# Altium PCB PCB1.PcbDoc (part 1 of 6) (continued)
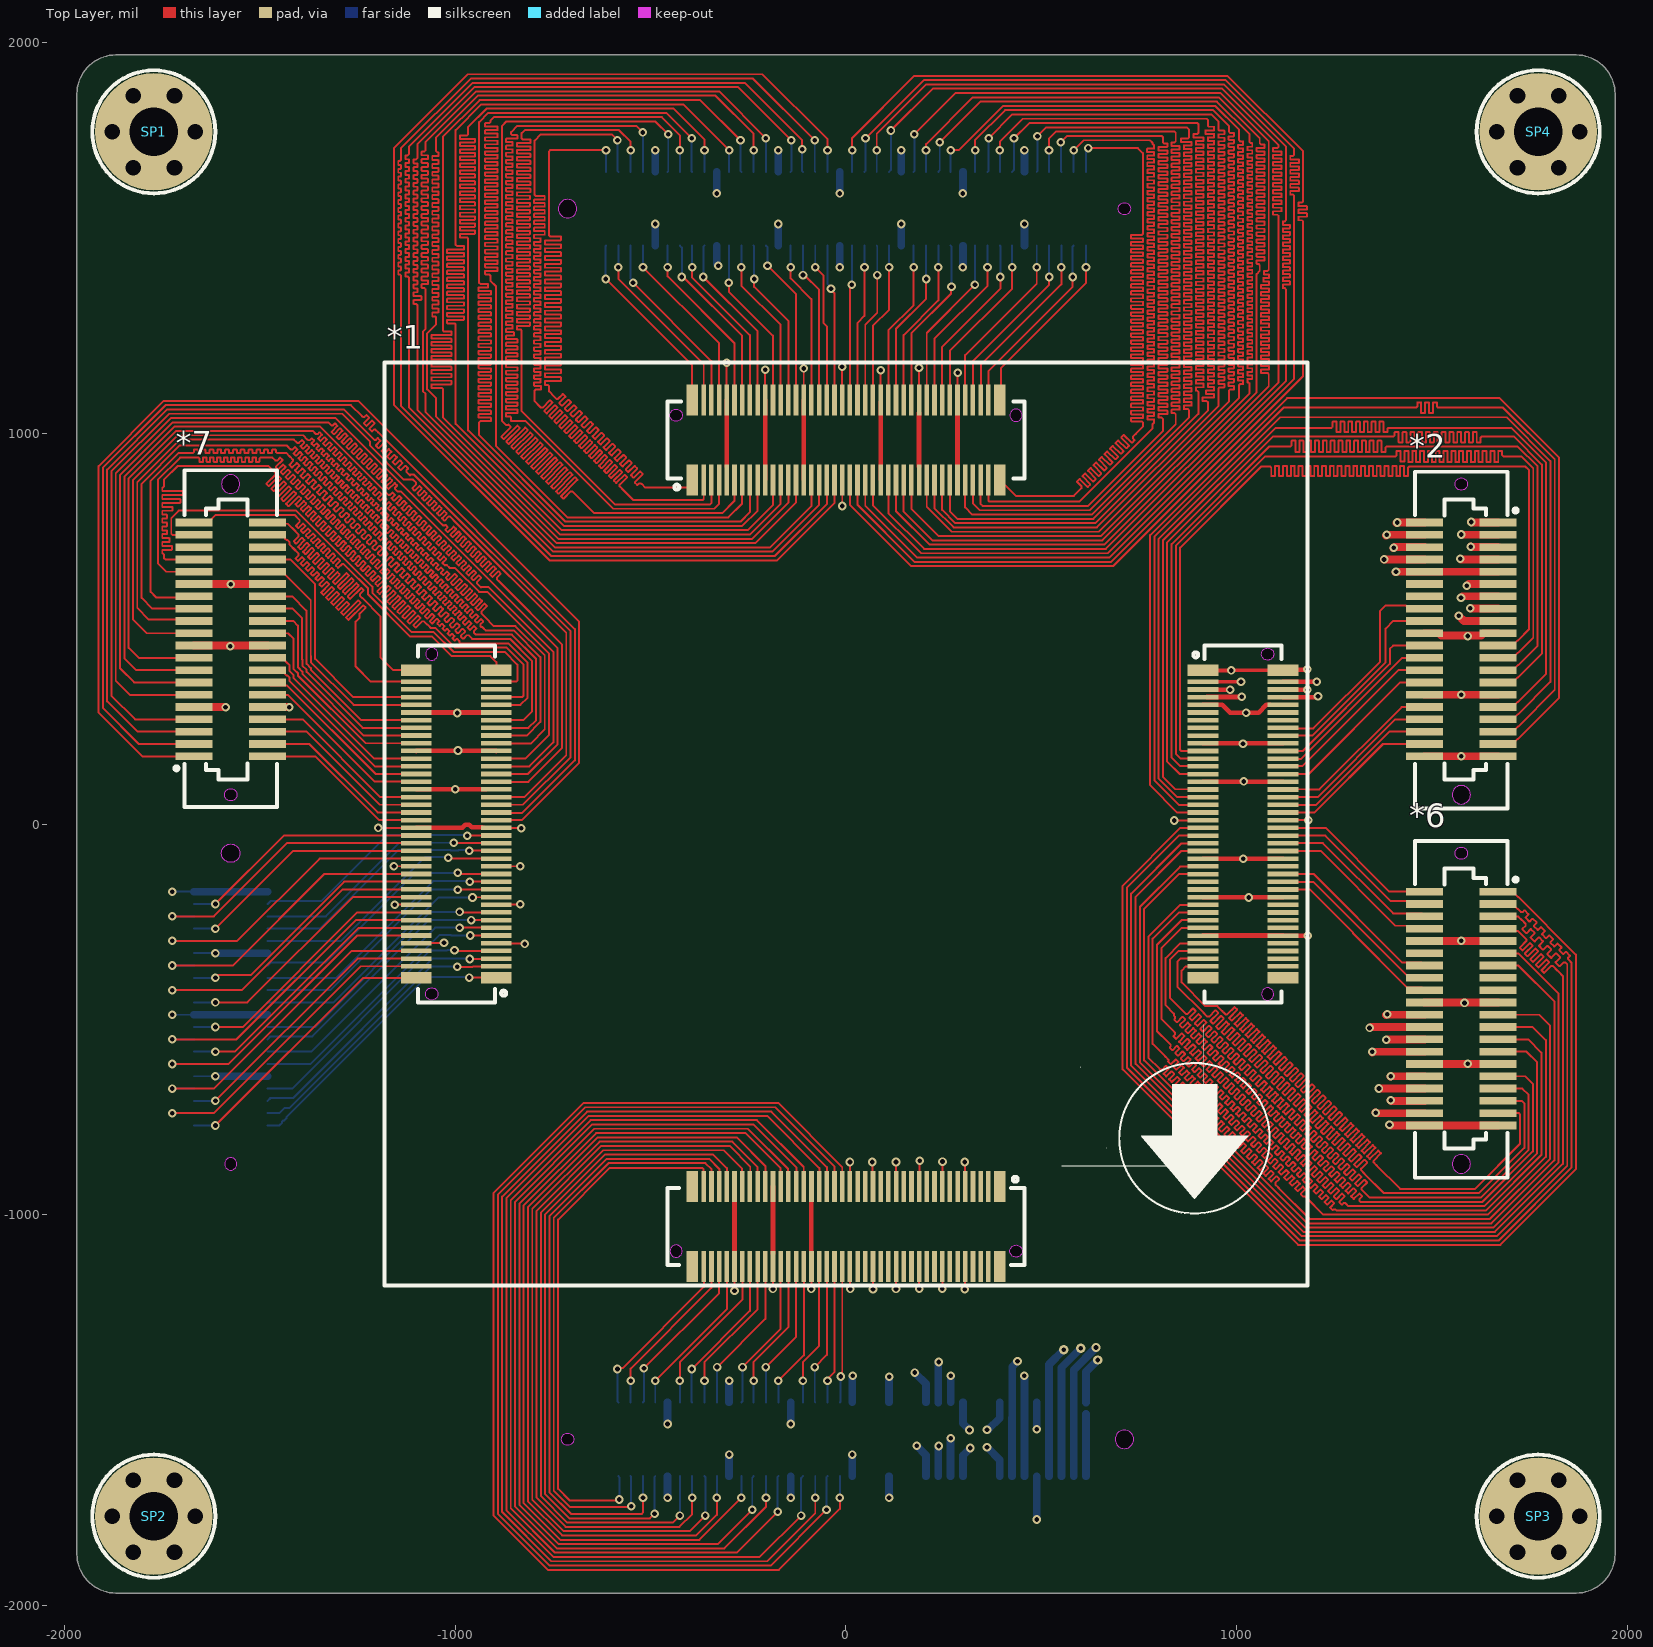
[diagram p0: Top Layer view]
## Footprints (in the part's own frame and the unit in brackets; to place one, negate y for a bottom-side part, rotate by r counter-clockwise, add the part's x,y. Pads: shape width x height; smd on the part's side, far side on the other; paste and mask are expansions set on the pad) (continued)
  Keep-Out Layer board cut-out: 27.008,11.046 27.038,11.199 27.125,11.328 27.255,11.415 27.408,11.446 27.408,11.446 27.561,11.415 27.691,11.328 27.778,11.199 27.808,11.046 27.808,11.046 27.778,10.892 27.691,10.763 27.561,10.676 27.408,10.646 27.408,10.646 27.255,10.676 27.125,10.763 27.038,10.892 27.008,11.046
  Keep-Out Layer board cut-out: 27.408,-10.655 27.255,-10.685 27.125,-10.772 27.039,-10.901 27.008,-11.055 27.008,-11.055 27.039,-11.208 27.125,-11.337 27.255,-11.424 27.408,-11.455 27.408,-11.455 27.561,-11.424 27.691,-11.337 27.778,-11.208 27.808,-11.055 27.808,-11.055 27.778,-10.901 27.691,-10.772 27.561,-10.685 27.408,-10.655
  silkscreen extent -30,-30 30,30, body extent -27.62,-28.46 28.1,27.26, height 2.4
BTB-08-40-G [mm] "BTB 公座，0.8mm间距"
  rect 0.5x2 smd mask+0.051: 1(-7.6,2.4) 2(-7.6,-2.4) 3(-6.8,2.4) 4(-6.8,-2.4) 5(-6,2.4) 6(-6,-2.4) 7(-5.2,2.4) 8(-5.2,-2.4) 9(-4.4,2.4) 10(-4.4,-2.4) 11(-3.6,2.4) 12(-3.6,-2.4) 13(-2.8,2.4) 14(-2.8,-2.4) 15(-2,2.4) 16(-2,-2.4) 17(-1.2,2.4) 18(-1.2,-2.4) 19(-0.4,2.4) 20(-0.4,-2.4) 21(0.4,2.4) 22(0.4,-2.4) 23(1.2,2.4) 24(1.2,-2.4) 25(2,2.4) 26(2,-2.4) 27(2.8,2.4) 28(2.8,-2.4) 29(3.6,2.4) 30(3.6,-2.4) 31(4.4,2.4) 32(4.4,-2.4) 33(5.2,2.4) 34(5.2,-2.4) 35(6,2.4) 36(6,-2.4) 37(6.8,2.4) 38(6.8,-2.4) 39(7.6,2.4) 40(7.6,-2.4)
  Keep-Out Layer board cut-out: -10.099,-0.4 -10.253,-0.37 -10.382,-0.283 -10.469,-0.153 -10.499,0 -10.499,0 -10.469,0.153 -10.382,0.283 -10.253,0.37 -10.099,0.4 -10.099,0.4 -9.946,0.37 -9.817,0.283 -9.73,0.153 -9.699,0 -9.699,0 -9.73,-0.153 -9.817,-0.283 -9.946,-0.37 -10.099,-0.4
  Keep-Out Layer board cut-out: 9.5,0 9.546,-0.23 9.676,-0.424 9.87,-0.554 10.1,-0.6 10.1,-0.6 10.33,-0.554 10.524,-0.424 10.654,-0.23 10.7,0 10.7,0 10.654,0.23 10.524,0.424 10.33,0.554 10.1,0.6 10.1,0.6 9.87,0.554 9.676,0.424 9.546,0.23 9.5,0
  silkscreen extent -10.99,-3.05 11.14,3.73, body extent -10.9,-3.08 10.9,2.92, height 3.85
BTB-08-40-G-H1.0 [mm] "BTB 公座，0.8mm间距"
  rect 0.5x2.4 smd mask+0.051: 1(-7.6,2.4) 2(-7.6,-2.4) 3(-6.8,2.4) 4(-6.8,-2.4) 5(-6,2.4) 6(-6,-2.4) 7(-5.2,2.4) 8(-5.2,-2.4) 9(-4.4,2.4) 10(-4.4,-2.4) 11(-3.6,2.4) 12(-3.6,-2.4) 13(-2.8,2.4) 14(-2.8,-2.4) 15(-2,2.4) 16(-2,-2.4) 17(-1.2,2.4) 18(-1.2,-2.4) 19(-0.4,2.4) 20(-0.4,-2.4) 21(0.4,2.4) 22(0.4,-2.4) 23(1.2,2.4) 24(1.2,-2.4) 25(2,2.4) 26(2,-2.4) 27(2.8,2.4) 28(2.8,-2.4) 29(3.6,2.4) 30(3.6,-2.4) 31(4.4,2.4) 32(4.4,-2.4) 33(5.2,2.4) 34(5.2,-2.4) 35(6,2.4) 36(6,-2.4) 37(6.8,2.4) 38(6.8,-2.4) 39(7.6,2.4) 40(7.6,-2.4)
  Keep-Out Layer board cut-out: -10.1,-0.4 -10.253,-0.37 -10.383,-0.283 -10.469,-0.153 -10.5,0 -10.5,0 -10.469,0.153 -10.383,0.283 -10.253,0.37 -10.1,0.4 -10.1,0.4 -9.947,0.37 -9.817,0.283 -9.73,0.153 -9.7,0 -9.7,0 -9.73,-0.153 -9.817,-0.283 -9.947,-0.37 -10.1,-0.4
  Keep-Out Layer board cut-out: 9.5,0 9.546,-0.23 9.676,-0.424 9.87,-0.554 10.1,-0.6 10.1,-0.6 10.33,-0.554 10.524,-0.424 10.654,-0.23 10.7,0 10.7,0 10.654,0.23 10.524,0.424 10.33,0.554 10.1,0.6 10.1,0.6 9.87,0.554 9.676,0.424 9.546,0.23 9.5,0
  silkscreen extent -10.9,-3 11,3.66, body extent -10.87,-3 10.93,3, height 3.85
BTB-08-80-M [mm] "BTB 母座，0.8mm间距"
  rect 0.5x2 smd mask+0.051: 1(-15.6,-2.4) 2(-15.6,2.4) 3(-14.8,-2.4) 4(-14.8,2.4) 5(-14,-2.4) 6(-14,2.4) 7(-13.2,-2.4) 8(-13.2,2.4) 9(-12.4,-2.4) 10(-12.4,2.4) 11(-11.6,-2.4) 12(-11.6,2.4) 13(-10.8,-2.4) 14(-10.8,2.4) 15(-10,-2.4) 16(-10,2.4) 17(-9.2,-2.4) 18(-9.2,2.4) 19(-8.4,-2.4) 20(-8.4,2.4) 21(-7.6,-2.4) 22(-7.6,2.4) 23(-6.8,-2.4) 24(-6.8,2.4) 25(-6,-2.4) 26(-6,2.4) 27(-5.2,-2.4) 28(-5.2,2.4) 29(-4.4,-2.4) 30(-4.4,2.4) 31(-3.6,-2.4) 32(-3.6,2.4) 33(-2.8,-2.4) 34(-2.8,2.4) 35(-2,-2.4) 36(-2,2.4) 37(-1.2,-2.4) 38(-1.2,2.4) 39(-0.4,-2.4) 40(-0.4,2.4) 41(0.4,-2.4) 42(0.4,2.4) 43(1.2,-2.4) 44(1.2,2.4) 45(2,-2.4) 46(2,2.4) 47(2.8,-2.4) 48(2.8,2.4) 49(3.6,-2.4) 50(3.6,2.4) 51(4.4,-2.4) 52(4.4,2.4) 53(5.2,-2.4) 54(5.2,2.4) 55(6,-2.4) 56(6,2.4) 57(6.8,-2.4) 58(6.8,2.4) 59(7.6,-2.4) 60(7.6,2.4) 61(8.4,-2.4) 62(8.4,2.4) 63(9.2,-2.4) 64(9.2,2.4) 65(10,-2.4) 66(10,2.4) 67(10.8,-2.4) 68(10.8,2.4) 69(11.6,-2.4) 70(11.6,2.4) 71(12.4,-2.4) 72(12.4,2.4) 73(13.2,-2.4) 74(13.2,2.4) 75(14,-2.4) 76(14,2.4) 77(14.8,-2.4) 78(14.8,2.4) 79(15.6,-2.4) 80(15.6,2.4)
  Keep-Out Layer board cut-out: -18.1,-0.6 -18.329,-0.554 -18.524,-0.424 -18.654,-0.23 -18.7,0 -18.7,0 -18.654,0.229 -18.524,0.424 -18.329,0.554 -18.1,0.6 -18.1,0.6 -17.87,0.554 -17.676,0.424 -17.546,0.229 -17.5,0 -17.5,0 -17.546,-0.23 -17.676,-0.424 -17.87,-0.554 -18.1,-0.6
  Keep-Out Layer board cut-out: 17.7,0 17.73,-0.153 17.817,-0.283 17.947,-0.37 18.1,-0.4 18.1,-0.4 18.253,-0.37 18.383,-0.283 18.47,-0.153 18.5,0 18.5,0 18.47,0.153 18.383,0.283 18.253,0.37 18.1,0.4 18.1,0.4 17.947,0.37 17.817,0.283 17.73,0.153 17.7,0
  silkscreen extent -18.9,-3.63 18.98,3.03
M3x10_N [mil] "M3铜柱，长：10mm"
  round 40 hole 40: 1(-106,0) 1(-53,-91.8) 1(-53,91.8) 1(53,-91.8) 1(53,91.8) 1(106,0)
  round 300 hole 125: 1(0,0)
  silkscreen extent -157,-157 157,157, body extent -106,-93 106,93, height 396

## Part data
SP1 SP2 SP3 SP4: library part 铜柱大焊盘, "铜柱", BOM名称=铜柱, 学习资源=https://shop463601444.taobao.com, 版权归属="封装库来自淘宝 ID：黄晶宝石"

## Via types
v1: diameter 22, hole 12, Top Layer to Bottom Layer, 254 vias
v2: diameter 24, hole 12, Top Layer to Bottom Layer, 4 vias

## Nets (pads, with @x,y where several pads share a name; then routed paths per layer and width w, separated by ;. In a path a pad name is that pad's centre, name@x,y a point inside that pad or via, vN(x,y) a via of type N, cw(c..) or ccw(c..) an arc to the next point about the centre after c; other vN are vias at no path point)
3V3: *2.11 *2.13 *2.15 *2.17 *4.23 *4.24 *4.25 *4.26 | length 781.2
  Top Layer w20: v1(1568,533) 1568.54,533 1581.86,519.69 *2.17@1669.29,519.69 ; v1(1574,579) 1574.54,579 1578.22,582.68 *2.13@1669.29,582.68 ; v1(1589,610) 1589.54,610 1593.72,614.17 *2.11@1669.29,614.17 ; v1(1598,552) 1598.82,551.18 *2.15@1669.29,551.18
  Bottom Layer w19.68: *4.25@236.22,-1669.29 236.22,-1593.4 236.56,-1593.07 v1@236.24,-1592.76 ; v1@236.22,-1592.78 v1(237,-1592) ; *4.24@267.72,-1480.32 267.72,-1412.28 v1(268,-1412)
  Bottom Layer w20: *4.25@236.22,-1669.29 v1@236.22,-1592.78 ; *4.26@236.22,-1480.32 236.22,-1377.78 v1(237,-1377) ; *4.23@267.72,-1669.29 v1(267.72,-1572.28) v1@268,-1572
+5: *4.11 *4.12 *4.13 *4.14 *6.22 *6.24 *6.26 *6.28 | length 1021.5
  Top Layer w20: v1@1343,-519 1343.69,-519.69 *6.24@1480.31,-519.69 ; v1@1347,-585 1349.32,-582.68 *6.28@1480.31,-582.68 ; v1@1382,-489 1382.81,-488.19 *6.22@1480.31,-488.19 ; v1@1387,-551 1387.18,-551.18 *6.26@1480.31,-551.18
  Bottom Layer w19.68: 425.2,-1520 *4.14@425.2,-1480.32 425.2,-1388.8 v1(439,-1375) ; v1(456,-1412) 456,-1412.63 456.69,-1413.32 *4.12@456.69,-1480.32
  Bottom Layer w20: *4.13@425.2,-1669.29 425.2,-1520 ; *4.11@456.69,-1669.29 *4.12@456.69,-1480.32
  other v1: 1347,-583 1383,-552 1340,-522 1385,-487
+12: *4.1 *4.2 *4.3 *4.4 *4.5 *4.6 *4.7 *4.8 *6.32 *6.34 *6.36 *6.38 *6.39 *6.40 | length 2015
  Top Layer w20: v1@1355,-738 1357.16,-740.16 *6.38@1480.31,-740.16 ; v1(1364,-677) 1364.17,-677.17 *6.34@1480.31,-677.17 ; v1(1391,-770) 1392.66,-771.66 *6.40@1480.31,-771.66 *6.39@1669.29,-771.66 ; v1(1394,-707) 1395.66,-708.66 *6.36@1480.31,-708.66 ; v1@1394,-646 v1(1394.33,-645.67) *6.32@1480.31,-645.67
  Bottom Layer w19.68: *4.7@519.69,-1669.29 *4.7@519.69,-1639.92
  Bottom Layer w20: *4.7@519.69,-1639.92 519.69,-1383.31 v2(557,-1346) ; *4.5@551.18,-1669.29 551.18,-1391.82 v2(601,-1342) ; *4.3@582.68,-1669.29 582.68,-1397.32 v2(640,-1340) ; *4.1@614.17,-1669.29 *4.2@614.17,-1509.69 ; *4.2@614.17,-1480.32 614.17,-1401.83 v2(644,-1372)
  other v1: 1356.08,-739.08
B13_IO0: *1.114 *5.34 | length 414.2
  Top Layer w5: v1(-110,1405) -106.23,1405 -68.87,1367.64 *1.114@-68.87,1085.5
  Bottom Layer w5: *5.34@-110.24,1480.32 -110,1480.08 v1(-110,1405)
B13_L1_N: *1.24 *2.24 | length 464.7
  Top Layer w5: *1.24@1122.97,166 1164,166 1423.2,425.2 *2.24@1480.31,425.2
B13_L1_P: *1.22 *2.22 | length 484.1
  Top Layer w5: *1.22@1130.76,186.83 1169.28,186.83 1392,409.56 1392,448.38 1400.31,456.69 *2.22@1480.31,456.69
B13_L2_N: *1.28 *2.28 | length 441.5
  Top Layer w5: *1.28@1135.85,128 1184.7,128 1418.91,362.2 *2.28@1480.31,362.2
B13_L2_P: *1.26 *2.26 | length 454
  Top Layer w5: *1.26@1128.12,147.92 1167.92,147.92 1413.7,393.7 *2.26@1480.31,393.7
B13_L3_N: *1.33 *2.33 | length 2663.8
  Top Layer w5: *1.33@913.71,68.72 847.72,68.72 800.14,116.3 800.14,730.13 1111.01,1041 1690.89,1041 1803,928.89 1803,363.81 1720.06,280.87 1719.85,280.87 1706.69,267.72 *2.33@1669.29,267.72
B13_L3_P: *1.31 *2.31 | length 2928
  Top Layer w5: *1.31@919.46,89 843,89 811.14,120.86 811.14,725.57 1099.57,1014 1240,1014 1242.5,1014 1245.43,1016.93 1245.43,1029.5 1245.93,1030 1254.93,1030 1255.43,1029.5 1255.43,1003.5 1255.93,1003 1264.93,1003 1265.43,1003.5 1265.43,1029.5 1265.93,1030 1274.93,1030 1275.43,1029.5 1275.43,1003.5 1275.93,1003 1284.93,1003 1285.43,1003.5 1285.43,1029.5 1285.93,1030 1294.93,1030 1295.43,1029.5 1295.43,1003.5 1295.93,1003 1304.93,1003 1305.43,1003.5 1305.43,1029.5 1305.93,1030 1314.93,1030 1315.43,1029.5 1315.43,1003.5 1315.93,1003 1324.93,1003 1325.43,1003.5 1325.43,1029.5 1325.93,1030 1334.93,1030 1335.43,1029.5 1335.43,1003.5 1335.93,1003 1344.93,1003 1345.43,1003.5 1345.43,1029.5 1345.93,1030 1354.93,1030 1355.43,1029.5 1355.43,1003.5 1355.93,1003 1364.93,1003 1365.43,1003.5 1365.43,1029.5 1365.93,1030 1374.93,1030 1375.43,1029.5 1375.43,1003.5 1375.93,1003 1384.93,1003 1385.43,1003.5 1385.43,1011.07 1388.36,1014 1397,1014 1702.33,1014 1792,924.33 1792,384.31 1720.06,312.37 1719.85,312.37 1706.69,299.21 *2.31@1669.29,299.21
B13_L4_N: *1.18 *2.18 | length 522.3
  Top Layer w5: *1.18@1130,226 1192.89,226 1381,414.11 1381,500 1400.69,519.69 *2.18@1480.31,519.69
B13_L4_P: *1.16 *2.16 | length 534.1
  Top Layer w5: *1.16@1155.75,245 1196.33,245 1367,415.67 1367,545.4 1380.91,559.31 1432.64,559.31 1433.43,558.52 1472.97,558.52 *2.16@1480.31,551.18
B13_L5_N: *1.23 *2.23 | length 2933.9
  Top Layer w5: *1.23@913.71,167.14 856.79,167.14 844.14,179.79 844.14,711.91 1073.24,941 1096,941 1404,941 1406.5,941 1409.43,943.93 1409.43,954.5 1409.93,955 1418.93,955 1419.43,954.5 1419.43,927.87 1419.93,927.37 1428.93,927.37 1429.43,927.87 1429.43,954.5 1429.93,955 1438.93,955 1439.43,954.5 1439.43,926.5 1439.93,926 1448.93,926 1449.43,926.5 1449.43,954.5 1449.93,955 1458.93,955 1459.43,954.5 1459.43,926.5 1459.93,926 1468.93,926 1469.43,926.5 1469.43,954.5 1469.93,955 1478.93,955 1479.43,954.5 1479.43,926.5 1479.93,926 1488.93,926 1489.43,926.5 1489.43,954.5 1489.93,955 1498.93,955 1499.43,954.5 1499.43,926.5 1499.93,926 1508.93,926 1509.43,926.5 1509.43,954.5 1509.93,955 1518.93,955 1519.43,954.5 1519.43,926.5 1519.93,926 1528.93,926 1529.43,926.5 1529.43,954.5 1529.93,955 1538.93,955 1539.43,954.5 1539.43,926.5 1539.93,926 1548.93,926 1549.43,926.5 1549.43,954.5 1549.93,955 1558.93,955 1559.43,954.5 1559.43,926.5 1559.93,926 1568.93,926 1569.43,926.5 1569.43,954.5 1569.93,955 1578.93,955 1579.43,954.5 1579.43,926.5 1579.93,926 1588.93,926 1589.43,926.5 1589.43,954.5 1589.93,955 1598.93,955 1599.43,954.5 1599.43,926.5 1599.93,926 1608.93,926 1609.43,926.5 1609.43,954.5 1609.93,955 1618.93,955 1619.43,954.5 1619.43,926.5 1619.93,926 1628.93,926 1629.43,926.5 1629.43,954.5 1629.93,955 1638.93,955 1639.43,954.5 1639.43,926.5 1639.93,926 1648.93,926 1649.43,926.5 1649.43,954.5 1649.93,955 1658.93,955 1659.43,954.5 1659.43,926.5 1659.93,926 1668.93,926 1669.43,926.5 1669.43,954.5 1669.93,955 1678.93,955 1679.43,954.5 1679.43,943.93 1682.36,941 1692,941 1728.66,941 1759,910.66 1759,477.29 1720.06,438.35 1719.85,438.35 1706.69,425.2 *2.23@1669.29,425.2
B13_L5_P: *1.21 *2.21 | length 2969.1
  Top Layer w5: *1.21@913.71,186.83 858.07,186.83 855.14,189.76 855.14,707.35 1062.79,915 1073,915 1085.5,915 1088.43,912.07 1088.43,890.99 1088.93,890.49 1097.93,890.49 1098.43,890.99 1098.43,915.87 1098.93,916.37 1107.93,916.37 1108.43,915.87 1108.43,890.99 1108.93,890.49 1117.93,890.49 1118.43,890.99 1118.43,915.87 1118.93,916.37 1127.93,916.37 1128.43,915.87 1128.43,890.99 1128.93,890.49 1137.93,890.49 1138.43,890.99 1138.43,915.87 1138.93,916.37 1147.93,916.37 1148.43,915.87 1148.43,890.99 1148.93,890.49 1157.93,890.49 1158.43,890.99 1158.43,915.87 1158.93,916.37 1167.93,916.37 1168.43,915.87 1168.43,890.99 1168.93,890.49 1177.93,890.49 1178.43,890.99 1178.43,915.87 1178.93,916.37 1187.93,916.37 1188.43,915.87 1188.43,890.99 1188.93,890.49 1197.93,890.49 1198.43,890.99 1198.43,915.87 1198.93,916.37 1207.93,916.37 1208.43,915.87 1208.43,890.99 1208.93,890.49 1217.93,890.49 1218.43,890.99 1218.43,915.87 1218.93,916.37 1227.93,916.37 1228.43,915.87 1228.43,890.99 1228.93,890.49 1237.93,890.49 1238.43,890.99 1238.43,915.87 1238.93,916.37 1247.93,916.37 1248.43,915.87 1248.43,890.99 1248.93,890.49 1257.93,890.49 1258.43,890.99 1258.43,915.87 1258.93,916.37 1267.93,916.37 1268.43,915.87 1268.43,890.99 1268.93,890.49 1277.93,890.49 1278.43,890.99 1278.43,915.87 1278.93,916.37 1287.93,916.37 1288.43,915.87 1288.43,890.99 1288.93,890.49 1297.93,890.49 1298.43,890.99 1298.43,915.87 1298.93,916.37 1307.93,916.37 1308.43,915.87 1308.43,890.99 1308.93,890.49 1317.93,890.49 1318.43,890.99 1318.43,915.87 1318.93,916.37 1327.93,916.37 1328.43,915.87 1328.43,890.99 1328.93,890.49 1337.93,890.49 1338.43,890.99 1338.43,915.87 1338.93,916.37 1347.93,916.37 1348.43,915.87 1348.43,890.99 1348.93,890.49 1357.93,890.49 1358.43,890.99 1358.43,915.87 1358.93,916.37 1367.93,916.37 1368.43,915.87 1368.43,890.99 1368.93,890.49 1377.93,890.49 1378.43,890.99 1378.43,915.87 1378.93,916.37 1387.93,916.37 1388.43,915.87 1388.43,890.99 1388.93,890.49 1397.93,890.49 1398.43,890.99 1398.43,915.87 1398.93,916.37 1407.93,916.37 1408.43,915.87 1408.43,890.99 1408.93,890.49 1417.93,890.49 1418.43,890.99 1418.43,915.87 1418.93,916.37 1427.93,916.37 1428.43,915.87 1428.43,890.99 1428.93,890.49 1437.93,890.49 1438.43,890.99 1438.43,912.07 1441.36,915 1460.11,915 1739.11,915 1748,906.11 1748,497.79 1720.06,469.85 1719.85,469.85 1706.69,456.69 *2.21@1669.29,456.69
B13_L6_N: *1.34 *2.34 | length 438.5
  Top Layer w5: *1.34@1124.14,69 1207.59,69 1406.3,267.72 *2.34@1480.31,267.72
B13_L6_P: *1.32 *2.32 | length 441.4
  Top Layer w5: *1.32@1126.43,89 1176.94,89 1177.44,88.5 1211.5,88.5 1422.21,299.21 *2.32@1480.31,299.21
B13_L7_N: *1.27 *2.27 | length 2953.1
  Top Layer w5: *1.27@918.25,128 853.93,128 822.14,159.79 822.14,721.02 1093.13,992 1399,992 1401.5,992 1404.43,994.93 1404.43,1002.5 1404.93,1003 1413.93,1003 1414.43,1002.5 1414.43,977.5 1414.93,977 1423.93,977 1424.43,977.5 1424.43,1002.5 1424.93,1003 1433.93,1003 1434.43,1002.5 1434.43,977.5 1434.93,977 1443.93,977 1444.43,977.5 1444.43,1002.5 1444.93,1003 1453.93,1003 1454.43,1002.5 1454.43,977.5 1454.93,977 1463.93,977 1464.43,977.5 1464.43,1002.5 1464.93,1003 1473.93,1003 1474.43,1002.5 1474.43,977.5 1474.93,977 1483.93,977 1484.43,977.5 1484.43,1002.5 1484.93,1003 1493.93,1003 1494.43,1002.5 1494.43,977.5 1494.93,977 1503.93,977 1504.43,977.5 1504.43,1002.5 1504.93,1003 1513.93,1003 1514.43,1002.5 1514.43,977.5 1514.93,977 1523.93,977 1524.43,977.5 1524.43,1002.5 1524.93,1003 1533.93,1003 1534.43,1002.5 1534.43,977.5 1534.93,977 1543.93,977 1544.43,977.5 1544.43,1002.5 1544.93,1003 1553.93,1003 1554.43,1002.5 1554.43,977.5 1554.93,977 1563.93,977 1564.43,977.5 1564.43,1002.5 1564.93,1003 1573.93,1003 1574.43,1002.5 1574.43,977.5 1574.93,977 1583.93,977 1584.43,977.5 1584.43,1002.5 1584.93,1003 1593.93,1003 1594.43,1002.5 1594.43,977.5 1594.93,977 1603.93,977 1604.43,977.5 1604.43,1002.5 1604.93,1003 1613.93,1003 1614.43,1002.5 1614.43,977.5 1614.93,977 1623.93,977 1624.43,977.5 1624.43,989.07 1627.36,992 1638,992 1708.77,992 1781,919.77 1781,436.3 1720.06,375.36 1719.85,375.36 1706.69,362.2 *2.27@1669.29,362.2
B13_L7_P: *1.25 *2.25 | length 2946.6
  Top Layer w5: *1.25@899.1,148 855,148 833.14,169.86 833.14,716.46 1082.68,966 1135,966 1137.5,966 1140.43,968.93 1140.43,980.5 1140.93,981 1149.93,981 1150.43,980.5 1150.43,952.5 1150.93,952 1159.93,952 1160.43,952.5 1160.43,980.5 1160.93,981 1169.93,981 1170.43,980.5 1170.43,952.5 1170.93,952 1179.93,952 1180.43,952.5 1180.43,980.5 1180.93,981 1189.93,981 1190.43,980.5 1190.43,952.5 1190.93,952 1199.93,952 1200.43,952.5 1200.43,980.5 1200.93,981 1209.93,981 1210.43,980.5 1210.43,952.5 1210.93,952 1219.93,952 1220.43,952.5 1220.43,980.5 1220.93,981 1229.93,981 1230.43,980.5 1230.43,952.5 1230.93,952 1239.93,952 1240.43,952.5 1240.43,980.5 1240.93,981 1249.93,981 1250.43,980.5 1250.43,952.5 1250.93,952 1259.93,952 1260.43,952.5 1260.43,980.5 1260.93,981 1269.93,981 1270.43,980.5 1270.43,952.5 1270.93,952 1279.93,952 1280.43,952.5 1280.43,980.5 1280.93,981 1289.93,981 1290.43,980.5 1290.43,952.5 1290.93,952 1299.93,952 1300.43,952.5 1300.43,980.5 1300.93,981 1309.93,981 1310.43,980.5 1310.43,952.5 1310.93,952 1319.93,952 1320.43,952.5 1320.43,980.5 1320.93,981 1329.93,981 1330.43,980.5 1330.43,952.5 1330.93,952 1339.93,952 1340.43,952.5 1340.43,980.5 1340.93,981 1349.93,981 1350.43,980.5 1350.43,952.5 1350.93,952 1359.93,952 1360.43,952.5 1360.43,980.5 1360.93,981 1369.93,981 1370.43,980.5 1370.43,952.5 1370.93,952 1379.93,952 1380.43,952.5 1380.43,963.07 1383.36,966 1391,966 1719.22,966 1770,915.22 1770,456.8 1720.06,406.85 1719.85,406.85 1706.69,393.7 *2.25@1669.29,393.7
B13_L8_N: *1.115 *5.35 | length 3477.2
  Top Layer w5: v1(-80,1750) -238,1908 -960.34,1908 -1139,1729.34 -1139,1703 -1139,1699.79 -1141.93,1696.86 -1145,1696.86 -1146,1695.86 -1146,1687.86 -1145,1686.86 -1140,1686.86 -1139,1685.86 -1139,1677.86 -1140,1676.86 -1145,1676.86 -1146,1675.86 -1146,1667.86 -1145,1666.86 -1140,1666.86 -1139,1665.86 -1139,1657.86 -1140,1656.86 -1145,1656.86 -1146,1655.86 -1146,1647.86 -1145,1646.86 -1140,1646.86 -1139,1645.86 -1139,1637.86 -1140,1636.86 -1145,1636.86 -1146,1635.86 -1146,1627.86 -1145,1626.86 -1140,1626.86 -1139,1625.86 -1139,1617.86 -1140,1616.86 -1145,1616.86 -1146,1615.86 -1146,1607.86 -1145,1606.86 -1140,1606.86 -1139,1605.86 -1139,1597.86 -1140,1596.86 -1145,1596.86 -1146,1595.86 -1146,1587.86 -1145,1586.86 -1140,1586.86 -1139,1585.86 -1139,1577.86 -1140,1576.86 -1145,1576.86 -1146,1575.86 -1146,1567.86 -1145,1566.86 -1140,1566.86 -1139,1565.86 -1139,1557.86 -1140,1556.86 -1145,1556.86 -1146,1555.86 -1146,1547.86 -1145,1546.86 -1140,1546.86 -1139,1545.86 -1139,1537.86 -1140,1536.86 -1145,1536.86 -1146,1535.86 -1146,1527.86 -1145,1526.86 -1140,1526.86 -1139,1525.86 -1139,1517.86 -1140,1516.86 -1145,1516.86 -1146,1515.86 -1146,1507.86 -1145,1506.86 -1140,1506.86 -1139,1505.86 -1139,1497.86 -1140,1496.86 -1145,1496.86 -1146,1495.86 -1146,1487.86 -1145,1486.86 -1140,1486.86 -1139,1485.86 -1139,1477.86 -1140,1476.86 -1145,1476.86 -1146,1475.86 -1146,1467.86 -1145,1466.86 -1140,1466.86 -1139,1465.86 -1139,1457.86 -1140,1456.86 -1145,1456.86 -1146,1455.86 -1146,1447.86 -1145,1446.86 -1140,1446.86 -1139,1445.86 -1139,1437.86 -1140,1436.86 -1145,1436.86 -1146,1435.86 -1146,1427.86 -1145,1426.86 -1140,1426.86 -1139,1425.86 -1139,1417.86 -1140,1416.86 -1145,1416.86 -1146,1415.86 -1146,1407.86 -1145,1406.86 -1141.93,1406.86 -1139,1403.94 -1139,1401.43 -1139,1070.56 -754.35,685.91 -182.09,685.91 -49.19,818.81 *1.115@-49.19,880.78
  Bottom Layer w5: v1(-80,1750) -80,1670.55 *5.35@-78.74,1669.29
B13_L8_P: *1.117 *5.37 | length 3409.5
  Top Layer w5: v1(-47.24,1724.66) -47.24,1752.24 -214,1919 -968,1919 -1157,1730 -1157,1073 -758.91,674.91 -176.09,674.91 -29.5,821.5 *1.117@-29.5,880.78
  Bottom Layer w5: *5.37@-47.24,1669.29 v1(-47.24,1724.66)
B13_L9_N: *1.111 *5.31 | length 3454.6
  Top Layer w5: v1(-140,1750) -276,1886 -951.23,1886 -1097,1740.23 -1097,1710 -1097,1703.93 -1099.93,1701.01 -1106,1701.01 -1107,1700.01 -1107,1692.01 -1106,1691.01 -1097.99,1691.01 -1096.99,1690.01 -1096.99,1682.01 -1097.99,1681.01 -1106,1681.01 -1107,1680.01 -1107,1672.01 -1106,1671.01 -1097.99,1671.01 -1096.99,1670.01 -1096.99,1662.01 -1097.99,1661.01 -1106,1661.01 -1107,1660.01 -1107,1652.01 -1106,1651.01 -1097.99,1651.01 -1096.99,1650.01 -1096.99,1642.01 -1097.99,1641.01 -1106,1641.01 -1107,1640.01 -1107,1632.01 -1106,1631.01 -1097.99,1631.01 -1096.99,1630.01 -1096.99,1622.01 -1097.99,1621.01 -1106,1621.01 -1107,1620.01 -1107,1612.01 -1106,1611.01 -1097.99,1611.01 -1096.99,1610.01 -1096.99,1602.01 -1097.99,1601.01 -1106,1601.01 -1107,1600.01 -1107,1592.01 -1106,1591.01 -1097.99,1591.01 -1096.99,1590.01 -1096.99,1582.01 -1097.99,1581.01 -1106,1581.01 -1107,1580.01 -1107,1572.01 -1106,1571.01 -1097.99,1571.01 -1096.99,1570.01 -1096.99,1562.01 -1097.99,1561.01 -1106,1561.01 -1107,1560.01 -1107,1552.01 -1106,1551.01 -1097.99,1551.01 -1096.99,1550.01 -1096.99,1542.01 -1097.99,1541.01 -1106,1541.01 -1107,1540.01 -1107,1532.01 -1106,1531.01 -1097.99,1531.01 -1096.99,1530.01 -1096.99,1522.01 -1097.99,1521.01 -1106,1521.01 -1107,1520.01 -1107,1512.01 -1106,1511.01 -1097.99,1511.01 -1096.99,1510.01 -1096.99,1502.01 -1097.99,1501.01 -1106,1501.01 -1107,1500.01 -1107,1492.01 -1106,1491.01 -1097.99,1491.01 -1096.99,1490.01 -1096.99,1482.01 -1097.99,1481.01 -1106,1481.01 -1107,1480.01 -1107,1472.01 -1106,1471.01 -1097.99,1471.01 -1096.99,1470.01 -1096.99,1462.01 -1097.99,1461.01 -1106,1461.01 -1107,1460.01 -1107,1452.01 -1106,1451.01 -1097.99,1451.01 -1096.99,1450.01 -1096.99,1442.01 -1097.99,1441.01 -1106,1441.01 -1107,1440.01 -1107,1432.01 -1106,1431.01 -1097.99,1431.01 -1096.99,1430.01 -1096.99,1422.01 -1097.99,1421.01 -1106,1421.01 -1107,1420.01 -1107,1412.01 -1106,1411.01 -1097.99,1411.01 -1096.99,1410.01 -1096.99,1402.01 -1097.99,1401.01 -1106,1401.01 -1107,1400.01 -1107,1392.01 -1106,1391.01 -1097.99,1391.01 -1096.99,1390.01 -1096.99,1382.01 -1097.99,1381.01 -1106,1381.01 -1107,1380.01 -1107,1372.01 -1106,1371.01 -1097.89,1371.01 -1096.89,1370.01 -1096.89,1362.01 -1097.89,1361.01 -1106,1361.01 -1107,1360.01 -1107,1352.01 -1106,1351.01 -1088,1351.01 -1087,1350.01 -1087,1342.01 -1088,1341.01 -1106,1341.01 -1107,1340.01 -1107,1332.01 -1106,1331.01 -1099.93,1331.01 -1097,1328.08 -1097,1325.58 -1097,1059.67 -745.24,707.91 -194.09,707.91 -88.56,813.44 *1.111@-88.56,880.78
  Bottom Layer w5: *5.31@-141.73,1669.29 -140,1671.02 v1(-140,1750)
B13_L9_P: *1.113 *5.33 | length 3479.1
  Top Layer w5: v1(-112.32,1726.75) -112.32,1749.9 -259.42,1897 -955.78,1897 -1119,1733.78 -1119,1721 -1119,1714.36 -1121.93,1711.43 -1127,1711.43 -1128,1710.43 -1128,1702.43 -1127,1701.43 -1119,1701.43 -1118,1700.43 -1118,1692.43 -1119,1691.43 -1127,1691.43 -1128,1690.43 -1128,1682.43 -1127,1681.43 -1119,1681.43 -1118,1680.43 -1118,1672.43 -1119,1671.43 -1127,1671.43 -1128,1670.43 -1128,1662.43 -1127,1661.43 -1119,1661.43 -1118,1660.43 -1118,1652.43 -1119,1651.43 -1127,1651.43 -1128,1650.43 -1128,1642.43 -1127,1641.43 -1119,1641.43 -1118,1640.43 -1118,1632.43 -1119,1631.43 -1127,1631.43 -1128,1630.43 -1128,1622.43 -1127,1621.43 -1119,1621.43 -1118,1620.43 -1118,1612.43 -1119,1611.43 -1127,1611.43 -1128,1610.43 -1128,1602.43 -1127,1601.43 -1119,1601.43 -1118,1600.43 -1118,1592.43 -1119,1591.43 -1127,1591.43 -1128,1590.43 -1128,1582.43 -1127,1581.43 -1119,1581.43 -1118,1580.43 -1118,1572.43 -1119,1571.43 -1127,1571.43 -1128,1570.43 -1128,1562.43 -1127,1561.43 -1119,1561.43 -1118,1560.43 -1118,1552.43 -1119,1551.43 -1127,1551.43 -1128,1550.43 -1128,1542.43 -1127,1541.43 -1119,1541.43 -1118,1540.43 -1118,1532.43 -1119,1531.43 -1127,1531.43 -1128,1530.43 -1128,1522.43 -1127,1521.43 -1119,1521.43 -1118,1520.43 -1118,1512.43 -1119,1511.43 -1127,1511.43 -1128,1510.43 -1128,1502.43 -1127,1501.43 -1119,1501.43 -1118,1500.43 -1118,1492.43 -1119,1491.43 -1127,1491.43 -1128,1490.43 -1128,1482.43 -1127,1481.43 -1119,1481.43 -1118,1480.43 -1118,1472.43 -1119,1471.43 -1127,1471.43 -1128,1470.43 -1128,1462.43 -1127,1461.43 -1119,1461.43 -1118,1460.43 -1118,1452.43 -1119,1451.43 -1127,1451.43 -1128,1450.43 -1128,1442.43 -1127,1441.43 -1119,1441.43 -1118,1440.43 -1118,1432.43 -1119,1431.43 -1127,1431.43 -1128,1430.43 -1128,1422.43 -1127,1421.43 -1119,1421.43 -1118,1420.43 -1118,1412.43 -1119,1411.43 -1127,1411.43 -1128,1410.43 -1128,1402.43 -1127,1401.43 -1121.93,1401.43 -1119,1398.51 -1119,1396.01 -1119,1066.11 -749.8,696.91 -189.09,696.91 -68.87,817.13 *1.113@-68.87,880.78
  Bottom Layer w5: v1(-112.32,1726.75) -112.32,1671.38 *5.33@-110.24,1669.29
B13_L10_N: *1.107 *5.27 | length 3464.7
  Top Layer w5: v1(-205,1755) -325,1875 -946.67,1875 -1076,1745.67 -1076,1734 -1076,1724.51 -1078.93,1721.58 -1085,1721.58 -1086,1720.58 -1086,1712.58 -1085,1711.58 -1071,1711.58 -1070,1710.58 -1070,1702.58 -1071,1701.58 -1085,1701.58 -1086,1700.58 -1086,1692.58 -1085,1691.58 -1071,1691.58 -1070,1690.58 -1070,1682.58 -1071,1681.58 -1085,1681.58 -1086,1680.58 -1086,1672.58 -1085,1671.58 -1071,1671.58 -1070,1670.58 -1070,1662.58 -1071,1661.58 -1085,1661.58 -1086,1660.58 -1086,1652.58 -1085,1651.58 -1071,1651.58 -1070,1650.58 -1070,1642.58 -1071,1641.58 -1085,1641.58 -1086,1640.58 -1086,1632.58 -1085,1631.58 -1071,1631.58 -1070,1630.58 -1070,1622.58 -1071,1621.58 -1085,1621.58 -1086,1620.58 -1086,1612.58 -1085,1611.58 -1071,1611.58 -1070,1610.58 -1070,1602.58 -1071,1601.58 -1085,1601.58 -1086,1600.58 -1086,1592.58 -1085,1591.58 -1071,1591.58 -1070,1590.58 -1070,1582.58 -1071,1581.58 -1085,1581.58 -1086,1580.58 -1086,1572.58 -1085,1571.58 -1071,1571.58 -1070,1570.58 -1070,1562.58 -1071,1561.58 -1085,1561.58 -1086,1560.58 -1086,1552.58 -1085,1551.58 -1071,1551.58 -1070,1550.58 -1070,1542.58 -1071,1541.58 -1085,1541.58 -1086,1540.58 -1086,1532.58 -1085,1531.58 -1071,1531.58 -1070,1530.58 -1070,1522.58 -1071,1521.58 -1085,1521.58 -1086,1520.58 -1086,1512.58 -1085,1511.58 -1071,1511.58 -1070,1510.58 -1070,1502.58 -1071,1501.58 -1085,1501.58 -1086,1500.58 -1086,1492.58 -1085,1491.58 -1071,1491.58 -1070,1490.58 -1070,1482.58 -1071,1481.58 -1085,1481.58 -1086,1480.58 -1086,1472.58 -1085,1471.58 -1071,1471.58 -1070,1470.58 -1070,1462.58 -1071,1461.58 -1085,1461.58 -1086,1460.58 -1086,1452.58 -1085,1451.58 -1071,1451.58 -1070,1450.58 -1070,1442.58 -1071,1441.58 -1085,1441.58 -1086,1440.58 -1086,1432.58 -1085,1431.58 -1071,1431.58 -1070,1430.58 -1070,1422.58 -1071,1421.58 -1085,1421.58 -1086,1420.58 -1086,1412.58 -1085,1411.58 -1071,1411.58 -1070,1410.58 -1070,1402.58 -1071,1401.58 -1085,1401.58 -1086,1400.58 -1086,1392.58 -1085,1391.58 -1071,1391.58 -1070,1390.58 -1070,1382.58 -1071,1381.58 -1085,1381.58 -1086,1380.58 -1086,1372.58 -1085,1371.58 -1078.93,1371.58 -1076,1368.65 -1076,1366.15 -1076,1267.09 -1083,1260.09 -1083,1107.77 -1076,1100.77 -1076,1054.23 -740.69,718.91 -232.09,718.91 -127.92,823.08 *1.107@-127.92,880.78
  Bottom Layer w5: v1(-205,1755) -205,1669.57 *5.27@-204.72,1669.29
B13_L10_P: *1.105 *5.25 | length 3474.9
  Top Layer w5: v1(-236.22,1724.66) -236.22,1766.22 -334,1864 -942.11,1864 -1049,1757.11 -1049,1726 -1049,1722.26 -1046.07,1719.33 -1044,1719.33 -1043,1718.33 -1043,1710.33 -1044,1709.33 -1058,1709.33 -1059,1708.33 -1059,1700.33 -1058,1699.33 -1044,1699.33 -1043,1698.33 -1043,1690.33 -1044,1689.33 -1058,1689.33 -1059,1688.33 -1059,1680.33 -1058,1679.33 -1044,1679.33 -1043,1678.33 -1043,1670.33 -1044,1669.33 -1058,1669.33 -1059,1668.33 -1059,1660.33 -1058,1659.33 -1044,1659.33 -1043,1658.33 -1043,1650.33 -1044,1649.33 -1058,1649.33 -1059,1648.33 -1059,1640.33 -1058,1639.33 -1044,1639.33 -1043,1638.33 -1043,1630.33 -1044,1629.33 -1058,1629.33 -1059,1628.33 -1059,1620.33 -1058,1619.33 -1044,1619.33 -1043,1618.33 -1043,1610.33 -1044,1609.33 -1058,1609.33 -1059,1608.33 -1059,1600.33 -1058,1599.33 -1044,1599.33 -1043,1598.33 -1043,1590.33 -1044,1589.33 -1058,1589.33 -1059,1588.33 -1059,1580.33 -1058,1579.33 -1044,1579.33 -1043,1578.33 -1043,1570.33 -1044,1569.33 -1058,1569.33 -1059,1568.33 -1059,1560.33 -1058,1559.33 -1044,1559.33 -1043,1558.33 -1043,1550.33 -1044,1549.33 -1058,1549.33 -1059,1548.33 -1059,1540.33 -1058,1539.33 -1044,1539.33 -1043,1538.33 -1043,1530.33 -1044,1529.33 -1058,1529.33 -1059,1528.33 -1059,1520.33 -1058,1519.33 -1044,1519.33 -1043,1518.33 -1043,1510.33 -1044,1509.33 -1058,1509.33 -1059,1508.33 -1059,1500.33 -1058,1499.33 -1044,1499.33 -1043,1498.33 -1043,1490.33 -1044,1489.33 -1058,1489.33 -1059,1488.33 -1059,1480.33 -1058,1479.33 -1044,1479.33 -1043,1478.33 -1043,1470.33 -1044,1469.33 -1058,1469.33 -1059,1468.33 -1059,1460.33 -1058,1459.33 -1044,1459.33 -1043,1458.33 -1043,1450.33 -1044,1449.33 -1058,1449.33 -1059,1448.33 -1059,1440.33 -1058,1439.33 -1044,1439.33 -1043,1438.33 -1043,1430.33 -1044,1429.33 -1058,1429.33 -1059,1428.33 -1059,1420.33 -1058,1419.33 -1044,1419.33 -1043,1418.33 -1043,1410.33 -1044,1409.33 -1058,1409.33 -1059,1408.33 -1059,1400.33 -1058,1399.33 -1044,1399.33 -1043,1398.33 -1043,1390.33 -1044,1389.33 -1058,1389.33 -1059,1388.33 -1059,1380.33 -1058,1379.33 -1044,1379.33 -1043,1378.33 -1043,1370.33 -1044,1369.33 -1058,1369.33 -1059,1368.33 -1059,1360.33 -1058,1359.33 -1044,1359.33 -1043,1358.33 -1043,1350.33 -1044,1349.33 -1058,1349.33 -1059,1348.33 -1059,1340.33 -1058,1339.33 -1044,1339.33 -1043,1338.33 -1043,1330.33 -1044,1329.33 -1058,1329.33 -1059,1328.33 -1059,1320.33 -1058,1319.33 -1044,1319.33 -1043,1318.33 -1043,1310.33 -1044,1309.33 -1058,1309.33 -1059,1308.33 -1059,1300.33 -1058,1299.33 -1051.93,1299.33 -1049,1296.4 -1049,1293.9 -1049,1278.54 -1072,1255.54 -1072,1112.32 -1049,1089.32 -1049,1042.78 -736.13,729.91 -240.09,729.91 -147.61,822.39 *1.105@-147.61,880.78
  Bottom Layer w5: *5.25@-236.22,1669.29 v1(-236.22,1724.66)
B13_L11_N: *1.103 *5.23 | length 3529.4
  Top Layer w5: v1(-270,1750) -373,1853 -937.56,1853 -1032,1758.56 -1032,1271 -1032,1263.36 -1029.07,1260.43 -1010.45,1260.43 -1010,1259.98 -1010,1251.88 -1010.45,1251.43 -1060.55,1251.43 -1061,1250.98 -1061,1242.88 -1060.55,1242.43 -1010.45,1242.43 -1010,1241.98 -1010,1233.88 -1010.45,1233.43 -1060.55,1233.43 -1061,1232.98 -1061,1224.88 -1060.55,1224.43 -1010.45,1224.43 -1010,1223.98 -1010,1215.88 -1010.45,1215.43 -1060.55,1215.43 -1061,1214.98 -1061,1206.88 -1060.55,1206.43 -1010.45,1206.43 -1010,1205.98 -1010,1197.88 -1010.45,1197.43 -1060.55,1197.43 -1061,1196.98 -1061,1188.88 -1060.55,1188.43 -1010.45,1188.43 -1010,1187.98 -1010,1179.88 -1010.45,1179.43 -1060.55,1179.43 -1061,1178.98 -1061,1170.88 -1060.55,1170.43 -1010.45,1170.43 -1010,1169.98 -1010,1161.88 -1010.45,1161.43 -1060.55,1161.43 -1061,1160.98 -1061,1152.88 -1060.55,1152.43 -1010.45,1152.43 -1010,1151.98 -1010,1143.88 -1010.45,1143.43 -1060.55,1143.43 -1061,1142.98 -1061,1134.88 -1060.55,1134.43 -1010.45,1134.43 -1010,1133.98 -1010,1125.88 -1010.45,1125.43 -1060.55,1125.43 -1061,1124.98 -1061,1116.88 -1060.55,1116.43 -1034.93,1116.43 -1032,1113.5 -1032,1111 -1032,1041.34 -731.57,740.91 -246.53,740.91 -167.29,820.15 *1.103@-167.29,880.78
  Bottom Layer w5: v1(-270,1750) -270,1671.58 *5.23@-267.72,1669.29
B13_L11_P: *1.101 *5.21 | length 3530.2
  Top Layer w5: v1(-299.21,1724.66) -416.55,1842 -933,1842 -999,1776 -999,1490 -999,1482.36 -996.07,1479.43 -978.45,1479.43 -978,1478.98 -978,1470.88 -978.45,1470.43 -1020.55,1470.43 -1021,1469.98 -1021,1461.88 -1020.55,1461.43 -978.45,1461.43 -978,1460.98 -978,1452.88 -978.45,1452.43 -1020.55,1452.43 -1021,1451.98 -1021,1443.88 -1020.55,1443.43 -978.45,1443.43 -978,1442.98 -978,1434.88 -978.45,1434.43 -1020.55,1434.43 -1021,1433.98 -1021,1425.88 -1020.55,1425.43 -978.45,1425.43 -978,1424.98 -978,1416.88 -978.45,1416.43 -1020.55,1416.43 -1021,1415.98 -1021,1407.88 -1020.55,1407.43 -978.45,1407.43 -978,1406.98 -978,1398.88 -978.45,1398.43 -1020.55,1398.43 -1021,1397.98 -1021,1389.88 -1020.55,1389.43 -978.45,1389.43 -978,1388.98 -978,1380.88 -978.45,1380.43 -1020.55,1380.43 -1021,1379.98 -1021,1371.88 -1020.55,1371.43 -978.45,1371.43 -978,1370.98 -978,1362.88 -978.45,1362.43 -1020.55,1362.43 -1021,1361.98 -1021,1353.88 -1020.55,1353.43 -978.45,1353.43 -978,1352.98 -978,1344.88 -978.45,1344.43 -1020.55,1344.43 -1021,1343.98 -1021,1335.88 -1020.55,1335.43 -978.45,1335.43 -978,1334.98 -978,1326.88 -978.45,1326.43 -1020.55,1326.43 -1021,1325.98 -1021,1317.88 -1020.55,1317.43 -978.45,1317.43 -978,1316.98 -978,1308.88 -978.45,1308.43 -1020.55,1308.43 -1021,1307.98 -1021,1299.88 -1020.55,1299.43 -978.45,1299.43 -978,1298.98 -978,1290.88 -978.45,1290.43 -1020.55,1290.43 -1021,1289.98 -1021,1281.88 -1020.55,1281.43 -1001.93,1281.43 -999,1278.5 -999,1276 -999,1023.89 -727.02,751.91 -251.09,751.91 -186.98,816.02 *1.101@-186.98,880.78
  Bottom Layer w5: *5.21@-299.21,1669.29 v1(-299.21,1724.66)